# Altium PCB PCB1.PcbDoc (part 1 of 2) (continued)
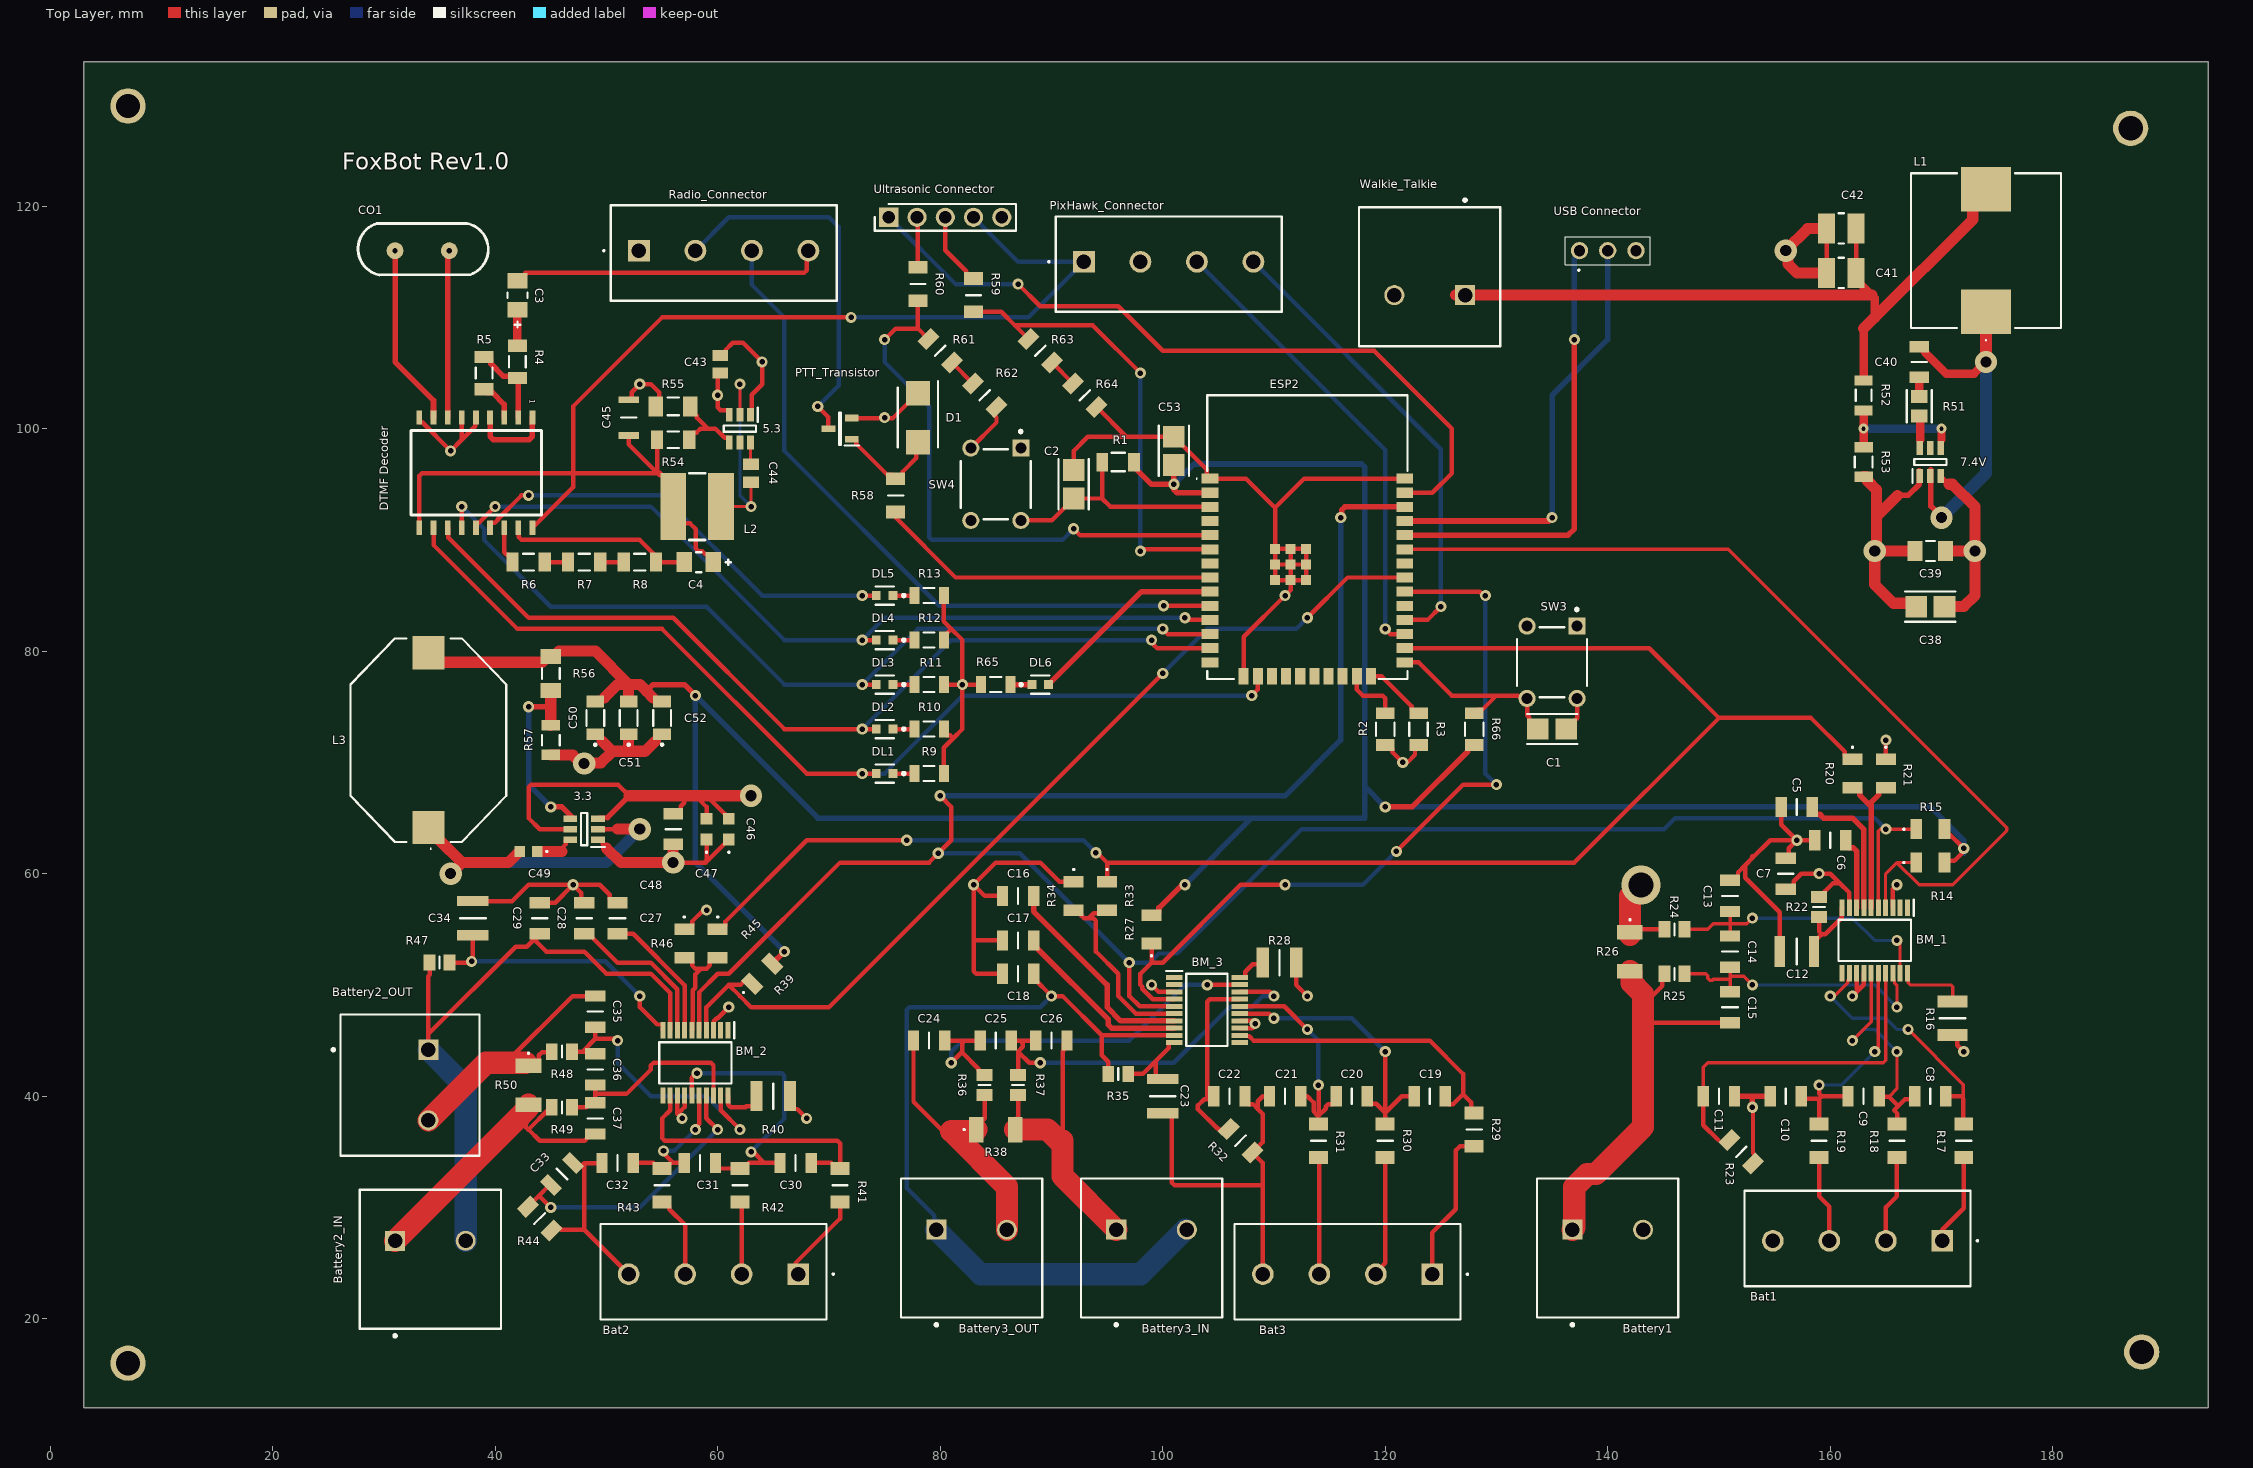
[diagram p0: Top Layer view]
## Footprints (in the part's own frame and the unit in brackets; to place one, negate y for a bottom-side part, rotate by r counter-clockwise, add the part's x,y. Pads: shape width x height; smd on the part's side, far side on the other; paste and mask are expansions set on the pad) (continued)
MT8870DSR1 [mm]
  rect 1.27x0.51 smd: 1(0,0) 2(0,-1.27) 3(0,-2.54) 4(0,-3.81) 5(0,-5.08) 6(0,-6.35) 7(0,-7.62) 8(0,-8.89) 9(0,-10.16) 10(9.906,-10.16) 11(9.906,-8.89) 12(9.906,-7.62) 13(9.906,-6.35) 14(9.906,-5.08) 15(9.906,-3.81) 16(9.906,-2.54) 17(9.906,-1.27) 18(9.906,0)
  silkscreen extent 1.16,-10.92 8.76,0.83, body extent -0.21,-10.86 10.12,0.69, height 2.65
MTH3P2MM [mm]
  round 3.175 hole 2.185: 1(0,0)
PHOE-1714955_V [mm] "Terminal Block, 2-Leads, Body 12.7x12.5mm, Pitch 6.35mm"
  rect 1.8x1.8 hole 1.3: 1(-3.175,0)
  round 1.8 hole 1.3: 2(3.175,0)
  silkscreen extent -6.35,-8.67 6.35,4.6, body extent -6.92,-7.9 6.35,4.6, height 21.51
RCC120610K0FKEA [mm]
  rect 1.05x1.8 smd: 1(-1.275,0) 2(1.275,0)
  silkscreen extent -2.42,-0.05 -2.32,0.05, body extent -1.6,-0.8 1.6,0.8, height 0.55
RESC3216X60X45LL10T20 [mm] "Chip Resistor, 2-Leads, Body 3.20x1.60mm, IPC High Density"
  rect 0.9x1.6 smd: 1(-1.35,0) 2(1.35,0)
  silkscreen extent -0.5,-0.7 0.5,0.7, body extent -1.65,-0.85 1.65,0.85, height 0.6
RESC3216X60X45ML10T20 [mm] "Chip Resistor, 2-Leads, Body 3.20x1.60mm, IPC Low Density"
  rect 1.3x1.8 smd: 1(-1.55,0) 2(1.55,0)
  silkscreen extent -0.5,-0.8 0.5,0.8, body extent -1.65,-0.85 1.65,0.85, height 0.6
RESC3216X60X45NL10T20 [mm] "Chip Resistor, 2-Leads, Body 3.20x1.60mm, IPC Medium Density"
  rect 1.1x1.7 smd: 1(-1.45,0) 2(1.45,0)
  silkscreen extent -0.5,-0.75 0.5,0.75, body extent -1.65,-0.85 1.65,0.85, height 0.6
RESC3216X70X50LL05T20 [mm] "Chip Resistor, 2-Leads, Body 3.20x1.60mm, IPC High Density"
  rect 0.9x1.55 smd: 1(-1.325,0) 2(1.325,0)
  silkscreen extent -0.5,-0.67 0.5,0.67, body extent -1.63,-0.82 1.62,0.82, height 0.7
RN73C2A100RBTDF [mm]
  rect 1.05x1.45 smd: 1(-0.9,0) 2(0.9,0)
  silkscreen extent 0,-0.53 0,0.53, body extent -1,-0.62 1,0.63, height 0.56
SDR1806-2R2ML [mm]
  rect 3x2.9 smd: 1(-7.85,0) 2(7.85,0)
  silkscreen extent -9.8,-7 9.15,7, body extent -9.15,-7 9.15,7, height 6.6
SRN6045 [mm]
  rect 2.3x6 smd: 1(-2.15,0) 2(2.15,0)
  silkscreen extent -0.7,-3 0.7,3, body extent -3,-3 3,3, height 4.5
SRP1250-7R8M [mm]
  rect 4x4.5 smd: 1(-5.5,0) 2(5.5,0)
  silkscreen extent -8.1,-6.75 6.95,6.75, body extent -7.1,-6.75 7.1,6.75, height 5.3
TMK212BJ474KD-T [mm]
  rect 0.96x1.39 smd: 1(-0.79,0) 2(0.79,0)
  body extent -1,-0.63 1,0.63, height 0.95
TPS54308 [mm]
  rect 1.25x0.6 smd: 1(-1.25,0.95) 2(-1.25,0) 3(-1.25,-0.95) 4(1.25,-0.95) 5(1.25,0) 6(1.25,0.95)
  silkscreen extent -1.88,-1.45 0.28,1.6, body extent -1.4,-1.45 1.4,1.45, height 0.97
TPS56339DDCR [mm]
  rect 1.25x0.6 smd: 1(-1.25,0.95) 2(-1.25,0) 3(-1.25,-0.95) 4(1.25,-0.95) 5(1.25,0) 6(1.25,0.95)
  silkscreen extent -1.87,-1.45 0.28,1.6, body extent -1.4,-1.45 1.4,1.45, height 0.97
TPS565201DDCR [mm]
  rect 1.25x0.6 smd: 1(-1.25,0.95) 2(-1.25,0) 3(-1.25,-0.95) 4(1.25,-0.95) 5(1.25,0) 6(1.25,0.95)
  silkscreen extent -1.88,-1.45 0.28,1.6, body extent -1.4,-1.45 1.4,1.45, height 0.97
TPSMB75A-L [mm]
  rect 2.2x2.15 smd: 1(-2.2,0) 2(2.2,0)
  silkscreen extent -3.27,-1.81 2.7,1.81, body extent -2.57,-1.94 2.83,1.68, height 1.12
TSW-103-07-T-S [mm]
  round 1.55 hole 1.02: 1(0,0) 2(2.54,0) 3(5.08,0)
  silkscreen extent -1.27,-1.8 6.35,1.27, body extent -1.34,-1.46 6.41,1.08, height 5.21

## Part data
Bat1 Bat2 Bat3 PixHawk_Connector Radio_Connector: "Connector", Manufacturer_Name="Phoenix Contact", Mouser Part Number=651-1731857, Datasheet Link=http://www.phoenixcontact.com/de/produkte/1731857/pdf, Height=19.27mm, Manufacturer_Part_Number=1731857, Mouser Price/Stock=https://www.mouser.co.uk/ProductDetail/Phoenix-Contact/1731857?qs=o3rrLWFGhRkCt0JTTi%2FfYg%3D%3D
Battery1 Battery2_IN Battery2_OUT Battery3_IN Battery3_OUT Walkie_Talkie: library part CMP-2000-05797-1, "PC Terminal Block, Pitch 6.35 mm, 1 x 2 Position, Height 21.5 mm, Tail Lenght 5.1 mm, RoHS, Bulk", Manufacturer="Phoenix Contact", Package Description="PC Terminal Block, Pitch 6.35 mm, 1 x 2 Position, Height 21.5 mm, Tail Lenght 5.1 mm", Datasheet URL=http://media.digikey.com/pdf/Data%20Sheets/Phoenix%20Contact%20PDFs/1714955.pdf, Datasheet Version=02/2010, Manufacturer URL=http://www.phoenixcontact.com/, Mounting Technology=ThroughHole, Package Reference=1714955
BM_1 BM_2 BM_3: "Integrated Circuit", Manufacturer_Name="Texas Instruments", Mouser Part Number=595-BQ7692003PWR, Arrow Part Number=BQ7692003PWR, Arrow Price/Stock=https://www.arrow.com/en/products/bq7692003pwr/texas-instruments?utm_currency=USD&region=nac, Datasheet Link=http://www.ti.com/lit/gpn/bq76920, Height=1.2mm, Manufacturer_Part_Number=BQ7692003PWR, Mouser Price/Stock=https://www.mouser.co.uk/ProductDetail/Texas-Instruments/BQ7692003PWR?qs=%2Fd%252BFzHvH4c1ZYX6sbOSR8w%3D%3D
C1 C2 C53: library part CMP-08246-006636-1, "Multilayer Ceramic Capacitors 100nF ±10% 250V X7R SMD 1206", Capacitance=100nF, Case Code (Imperial)=1206, Case Code (Metric)=3216, Dielectric=X7R, Max Operating Temperature=125°C, Min Operating Temperature=-55°C, Package Quantity=1, Resistor Type=Ceramic, Tolerance=10%, Voltage=250V, Case/Package=1206, Depth=1.6mm, Height=1.6mm, Lead Free="Lead Free", Length=3.2mm, Mount="Surface Mount", Number of Pins=2, Packaging="Tape and Reel", REACH SVHC="No SVHC", RoHS Compliant=Yes, Series=C, Termination=SMD/SMT, Thickness=0.071inch, Voltage Rating=250V, Voltage Rating (DC)=250V, Weight=0.000571oz, Width=0.063inch
C3 C4: library part CMP-1661-00004-2, "10uF 16V  ±10% 3Ω 1206  SMD Tantalum Capacitor", Case Code (Imperial)=1206, Case Code (Metric)=3216, Dielectric Material=Tantalum, ESR (Equivalent Series Resistance)=3R, Leakage Current=1.6uA, Max Operating Temperature=125°C, Min Operating Temperature=-55°C, Package Quantity=1, Tolerance=10%, Voltage=16V, Capacitance=10uF, Case/Package=1206, Depth=1.6mm, Dissipation Factor=8%, Features="General Purpose", Height=1.6mm, Height - Seated (Max)=0.071inch, Lead Free="Lead Free", Lead Pitch=1.1mm, Length=3.2mm, Mount="Surface Mount", Number of Pins=2, Packaging="Tape and Reel", Polarity=Polar, Radiation Hardening=No, REACH SVHC="No SVHC", Termination=SMD/SMT, Voltage Rating=16V, Voltage Rating (DC)=16V, Width=1.6mm
C5 C7 C8 C9 C10 C11 C16 C18 C19 C20 C21 C22 C27 C29 C30 C31 C32 C33: "Capacitor", Manufacturer_Name="Kyocera AVX", Mouser Part Number=581-12065C105JAZ2A, Arrow Part Number=12065C105JAZ2A, Arrow Price/Stock=https://www.arrow.com/en/products/12065c105jaz2a/avx, Datasheet Link=http://www.farnell.com/datasheets/2237835.pdf, Height=1.78mm, Manufacturer_Part_Number=12065C105JAZ2A, Mouser Price/Stock=https://www.mouser.com/Search/Refine.aspx?Keyword=581-12065C105JAZ2A
C6 C17 C28: "Capacitor", Manufacturer_Name="Kyocera AVX", Mouser Part Number=581-12065C475K4Z2A, Datasheet Link=https://spicat.kyocera-avx.com/product/mlcc/chartview/12065C475K4Z2A/DataSheet/X7R, Height=1.78mm, Manufacturer_Part_Number=12065C475K4Z2A, Mouser Price/Stock=https://www.mouser.co.uk/ProductDetail/KYOCERA-AVX/12065C475K4Z2A?qs=AQlKX63v8RvvrmQFAjsYkg%3D%3D
C12 C23 C34: "Capacitor", Manufacturer_Name=TDK, Mouser Part Number=810-C3225X7R2A106K25, Datasheet Link=https://product.tdk.com/info/en/catalog/datasheets/mlcc_commercial_midvoltage_en.pdf, Height=2.3mm, Manufacturer_Part_Number=C3225X7R2A106K250AC, Mouser Price/Stock=https://www.mouser.co.uk/ProductDetail/TDK/C3225X7R2A106K250AC?qs=rSMjJ%252B1ewcQNu1nTZev8UA%3D%3D
C13 C14 C15 C24 C25 C26 C35 C36 C37: "Capacitor", Manufacturer_Name=KEMET, Mouser Part Number=80-C1206104K5RAC7867, Arrow Part Number=C1206C104K5RAC7867, Arrow Price/Stock=https://www.arrow.com/en/products/c1206c104k5rac7867/kemet-corporation, Datasheet Link=https://content.kemet.com/datasheets/KEM_C1002_X7R_SMD.pdf, Height=1.1mm, Manufacturer_Part_Number=C1206C104K5RAC7867, Mouser Price/Stock=https://www.mouser.co.uk/ProductDetail/KEMET/C1206C104K5RAC7867?qs=r%2FVmNO8Tjq5MvP%2FjoJQjcw%3D%3D
C38: library part CMP-08246-002728-1, "Multilayer Ceramic Capacitors 33uF ±20% 25V X5R SMD 1206", Capacitance=33uF, Case Code (Imperial)=1206, Case Code (Metric)=3216, Dielectric=X5R, Dielectric Material=Ceramic, Max Operating Temperature=85°C, Min Operating Temperature=-55°C, Package Quantity=1, Tolerance=20%, Voltage Rating=25V, Case/Package=1206, Depth=1.6mm, Lead Free="Lead Free", Length=3.2mm, Mount="Surface Mount", Packaging="Tape and Reel", REACH SVHC="No SVHC", Resistor Type=Ceramic, RoHS Compliant=Yes, Series=C, Termination=SMD/SMT, Thickness=1.6mm, Voltage Rating (DC)=25V, Weight=0.000571oz, Width=0.063inch
C39: library part CMP-06035-050440-1, "Chip Multilayer Ceramic Capacitors for General Purpose, 1206, 0.10uF, C0G, 30ppm/°C, 5%, 50V", Capacitance=100nF, Case Code (Imperial)=1206, Case Code (Metric)=3216, Dielectric=C0G, Max Operating Temperature=125°C, Min Operating Temperature=-55°C, Package Quantity=6000, Tolerance=5%, Voltage=50V, Case/Package=1206, Depth=1.6mm, Height=1.6mm, Lead Free="Lead Free", Length=3.2mm, Mount="Surface Mount", Packaging="Tape and Reel", Radiation Hardening=No, Termination=SMD/SMT, Thickness=0.071inch, Voltage Rating=50V, Voltage Rating (DC)=50V, Width=0.063inch
C40: "Capacitor", Manufacturer_Name="Murata Electronics", Mouser Part Number=81-GRM319R72A104KA1D, Arrow Part Number=GRM319R72A104KA01D, Arrow Price/Stock=https://www.arrow.com/en/products/grm319r72a104ka01d/murata-manufacturing?region=europe, Datasheet Link=http://www.murata.com/~/media/webrenewal/support/library/catalog/products/capacitor/mlcc/c02e.pdf, Height=0.95mm, Manufacturer_Part_Number=GRM319R72A104KA01D, Mouser Price/Stock=https://www.mouser.co.uk/ProductDetail/Murata-Electronics/GRM319R72A104KA01D?qs=aHh07ZX1ACw840PhdyBNvA%3D%3D
C41 C42: library part CMP-14477-002449-2, "None", Capacitance=22uF, Case/Package=1210, Max Operating Temperature=125°C, Min Operating Temperature=-55°C, Ratings=AEC-Q200, Tolerance=10%, Voltage Rating=25V, Length=0.126inch, Mount="Surface Mount", Packaging="Tape and Reel", RoHS Compliant=Yes, Thickness=0.106inch, Width=0.098inch
C43: "Capacitor", Manufacturer_Name="TAIYO YUDEN", Mouser Part Number=963-TMK212BJ474KD-T, Datasheet Link=https://componentsearchengine.com/Datasheets/2/TMK212BJ474KD-T.pdf, Height=0.95mm, Manufacturer_Part_Number=TMK212BJ474KD-T, Mouser Price/Stock=https://www.mouser.co.uk/ProductDetail/Taiyo-Yuden/TMK212BJ474KD-T/?qs=PzICbMaShUcnyRLJVHq5%252BA%3D%3D
C44: "Capacitor", Manufacturer_Name="Kyocera AVX", Mouser Part Number=581-08053C104K, Arrow Part Number=08053C104KAT2A, Arrow Price/Stock=https://www.arrow.com/en/products/08053c104kat2a/avx?region=nac, Datasheet Link=http://datasheets.avx.com/X7RDielectric.pdf, Height=0.94mm, Manufacturer_Part_Number=08053C104KAT2A, Mouser Price/Stock=https://www.mouser.co.uk/ProductDetail/KYOCERA-AVX/08053C104KAT2A?qs=EihRZLdKnF2GcTBzDkE%2FiQ%3D%3D
C45: "Capacitor", Manufacturer_Name=TDK, Mouser Part Number=810-C3216X5R1E336M, Arrow Part Number=C3216X5R1E336M160AC, Arrow Price/Stock=https://www.arrow.com/en/products/c3216x5r1e336m160ac/tdk, Datasheet Link=https://product.tdk.com/info/en/catalog/datasheets/mlcc_commercial_midvoltage_en.pdf, Height=1.8mm, Manufacturer_Part_Number=C3216X5R1E336M160AC, Mouser Price/Stock=https://www.mouser.co.uk/ProductDetail/TDK/C3216X5R1E336M160AC?qs=LcTL%2F5vFEzFIMvFz4LzwTw%3D%3D
C46 C47: "Capacitor", Manufacturer_Name=TDK, Mouser Part Number=810-C2012X5R1V106K0C, Arrow Part Number=C2012X5R1V106K085AC, Arrow Price/Stock=https://www.arrow.com/en/products/c2012x5r1v106k085ac/tdk?region=nac, Datasheet Link=https://product.tdk.com/system/files/dam/doc/product/capacitor/ceramic/mlcc/catalog/mlcc_commercial_general_en.pdf, Height=0.75mm, Manufacturer_Part_Number=C2012X5R1V106K085AC, Mouser Price/Stock=https://www.mouser.co.uk/ProductDetail/TDK/C2012X5R1V106K085AC?qs=6JAMGB%252BEdky%252BlYMcTLhFyA%3D%3D
C48: "Capacitor", Manufacturer_Name="Murata Electronics", Mouser Part Number=81-GRM422X104K100L, Arrow Part Number=GRM32NR72A104KA01L, Arrow Price/Stock=https://www.arrow.com/en/products/grm32nr72a104ka01l/murata-manufacturing, Datasheet Link=https://datasheet.datasheetarchive.com/originals/distributors/Datasheets_SAMA/a501be5d702e77636af0066a8ea8a825.pdf, Height=1.5mm, Manufacturer_Part_Number=GRM32NR72A104KA01L, Mouser Price/Stock=https://www.mouser.co.uk/ProductDetail/Murata-Electronics/GRM32NR72A104KA01L?qs=k8CGH%2FeYcNJZjvEBKBbW2g%3D%3D
C49: "Capacitor", Manufacturer_Name=KEMET, Mouser Part Number=80-C0603C104M3V, Arrow Part Number=C0603C104M3VACTU, Arrow Price/Stock=https://www.arrow.com/en/products/c0603c104m3vactu/kemet-corporation?region=nac, Datasheet Link=https://content.kemet.com/datasheets/KEM_C1005_Y5V_SMD.pdf, Height=0.87mm, Manufacturer_Part_Number=C0603C104M3VACTU, Mouser Price/Stock=https://www.mouser.co.uk/ProductDetail/KEMET/C0603C104M3VACTU?qs=jZ42y6hXG8l3LKJr7CVpKA%3D%3D
C50 C51 C52: "Capacitor", Manufacturer_Name="Murata Electronics", Mouser Part Number=81-GRM31CR71A226K15L, Arrow Part Number=GRM31CR71A226KE15L, Arrow Price/Stock=https://www.arrow.com/en/products/grm31cr71a226ke15l/murata-manufacturing?region=nac, Datasheet Link=https://search.murata.co.jp/Ceramy/image/img/A01X/G101/ENG/GRM31CR71A226KE15-01CA.pdf, Height=1.15mm, Manufacturer_Part_Number=GRM31CR71A226KE15L, Mouser Price/Stock=https://www.mouser.co.uk/ProductDetail/Murata-Electronics/GRM31CR71A226KE15L?qs=%2FBLjsTEvPnhfnPGA5Hlk4g%3D%3D
CO1: library part A-3.579545-18
D1: "TVS Diode (Uni-directional)", Manufacturer_Name=LITTELFUSE, Mouser Part Number=576-TPSMB75A-L, Datasheet Link=https://m.littelfuse.com/media?resourcetype=datasheets&itemid=e7a196a8-a225-4724-ab76-7c22e0d48557&filename=littelfuse-tvs-diode-tpsmb-datasheet, Height=2.44mm, Manufacturer_Part_Number=TPSMB75A-L, Mouser Price/Stock=https://www.mouser.co.uk/ProductDetail/Littelfuse/TPSMB75A-L?qs=%252BXxaIXUDbq2%252B9m5DB0gNVQ%3D%3D
DL1 DL2 DL3 DL4 DL5 DL6: library part CMP-1674-00011-2, "LED RED CLEAR CHIP SMD", Case Code (Imperial)=0603, Case Code (Metric)=1608, Color=Red, Forward Current=30mA, Forward Voltage=2.4V, Lens Color=Colorless, Max Operating Temperature=85°C, Min Operating Temperature=-55°C, Package Quantity=1, Power Dissipation=75mW, Reverse Voltage=5V, Test Current=20mA, Case/Package=0603, Depth=0.8mm, Dominant Wavelength=631nm, Height=0.8mm, Illumination Color=Red, Lead Free="Lead Free", Length=1.6mm, Lens Style=Diffused, Lens Transparency=Clear, Luminous Intensity=54mcd, Mount="Surface Mount", Number of Elements=1, Number of LEDs=1, Number of Pins=2, Packaging="Tape and Reel", Power Rating=75mW, Radiation Hardening=No, Viewing Angle=130°, Wavelength=639nm, Width=0.8mm
"DTMF Decoder": library part MT8870DSR1
ESP2: "Integrated Circuit", Manufacturer_Name="Espressif Systems", Mouser Part Number=356-ESP32WRM32E128PH, Datasheet Link=https://www.espressif.com/sites/default/files/documentation/esp32-wroom-32e_esp32-wroom-32ue_datasheet_en.pdf, Height=3.25mm, Manufacturer_Part_Number=ESP32-WROOM-32E-N16, Mouser Price/Stock=https://www.mouser.co.uk/ProductDetail/Espressif-Systems/ESP32-WROOM-32E-N16?qs=Li%252BoUPsLEnsC4cA%252BUYB2Bw%3D%3D
L1: "Inductor", Manufacturer_Name=Bourns, Mouser Part Number=652-SRP1250-7R8M, Arrow Part Number=SRP1250-7R8M, Arrow Price/Stock=https://www.arrow.com/en/products/srp1250-7r8m/bourns, Datasheet Link=https://www.bourns.com/docs/Product-Datasheets/SRP1250.pdf, Height=5.2mm, Manufacturer_Part_Number=SRP1250-7R8M, Mouser Price/Stock=https://www.mouser.co.uk/ProductDetail/Bourns/SRP1250-7R8M?qs=P41GyhEsKL6%2Fx3ckwmCxKA%3D%3D
L2: "Inductor", Manufacturer_Name=Bourns, Mouser Part Number=652-SRN6045-6R8Y, Arrow Part Number=SRN6045-6R8Y, Arrow Price/Stock=https://www.arrow.com/en/products/srn6045-6r8y/bourns?region=nac, Datasheet Link=http://www.bourns.com/docs/Product-Datasheets/SRN6045.pdf, Manufacturer_Part_Number=SRN6045-6R8Y, Mouser Price/Stock=https://www.mouser.co.uk/ProductDetail/Bourns/SRN6045-6R8Y?qs=opBjA1TV901hgVnK%252Bmh76Q%3D%3D
L3: "Inductor", Manufacturer_Name=Bourns, Mouser Part Number=652-SDR1806-2R2ML, Arrow Part Number=SDR1806-2R2ML, Arrow Price/Stock=https://www.arrow.com/en/products/sdr1806-2r2ml/bourns, Datasheet Link=https://www.bourns.com/docs/Product-Datasheets/SDR1806.pdf, Height=6.9mm, Manufacturer_Part_Number=SDR1806-2R2ML, Mouser Price/Stock=https://www.mouser.co.uk/ProductDetail/Bourns/SDR1806-2R2ML?qs=xrpI9KL%2FXvsM6NNo6hRSNQ%3D%3D
PTT_Transistor: "Integrated Circuit", Manufacturer_Name=onsemi, Mouser Part Number=863-MMBT2222ALT1G, Arrow Part Number=MMBT2222ALT1G, Arrow Price/Stock=https://www.arrow.com/en/products/mmbt2222alt1g/on-semiconductor?utm_currency=USD&region=europe, Datasheet Link=https://www.onsemi.com/pub/Collateral/MMBT2222LT1-D.PDF, Height=1.11mm, Manufacturer_Part_Number=MMBT2222ALT1G, Mouser Price/Stock=https://www.mouser.co.uk/ProductDetail/onsemi/MMBT2222ALT1G?qs=HVbQlW5zcXWwnD7Jokybqg%3D%3D
R1 R2 R3 R66: library part CMP-07231-005593-1, "Thick Film Chip Resistors 1206 10kΩ 0.25W 5% 200ppm/°C", Case Code (Imperial)=1206, Case Code (Metric)=3216, Max Operating Temperature=155°C, Max Power Dissipation=250mW, Min Operating Temperature=-55°C, Package Quantity=1, Resistance=10kR, Temperature Coefficient=200ppm/°C, Tolerance=5%, Voltage Rating=200V, Case/Package=1206, Composition="Thick Film", Contact Plating=Tin, Depth=1.6mm, Features="Moisture Resistant", Height=0.6mm, Length=3.2mm, Military Standard=Not, Mount="Surface Mount", Number of Pins=2, Number of Terminations=2, Packaging="Tape and Reel", Power Rating=250mW, Radiation Hardening=No, REACH SVHC="No SVHC", Termination=SMD/SMT, Thickness=610um, Voltage Rating (DC)=200V, Width=1.6mm
R4 R5 R6 R7 R8: library part CMP-1014-00736-2, Manufacturer="Vishay Dale", Part Number=CRCW1206100KFKEA
R9 R10 R11 R12 R13 R65: library part CMP-2003-00388-1, Manufacturer=Panasonic, Part Number=ERJ8ENF4700V
R14 R15 R20 R21 R27 R33 R34 R39 R45 R46: "Resistor", Manufacturer_Name=Vishay, Mouser Part Number=71-RCC120610K0FKEA, Arrow Part Number=RCC120610K0FKEA, Arrow Price/Stock=https://www.arrow.com/en/products/rcc120610k0fkea/vishay?region=nac, Datasheet Link=https://www.vishay.com/docs/20066/rcce3.pdf, Height=0.6mm, Manufacturer_Part_Number=RCC120610K0FKEA, Mouser Price/Stock=https://www.mouser.co.uk/ProductDetail/Vishay-Dale/RCC120610K0FKEA?qs=IS%252B4QmGtzzoGkT4gqT5LqQ%3D%3D
R16 R28 R40: "Resistor", Manufacturer_Name=Vishay, Mouser Part Number=71-CRCW12101M00FKEAH, Arrow Part Number=CRCW12101M00FKEAHP, Arrow Price/Stock=https://www.arrow.com/en/products/crcw12101m00fkeahp/vishay?region=nac, Datasheet Link=http://componentsearchengine.com/Datasheets/1/CRCW12101M00FKEAHP.pdf, Height=0.7mm, Manufacturer_Part_Number=CRCW12101M00FKEAHP, Mouser Price/Stock=https://www.mouser.co.uk/ProductDetail/Vishay-Dale/CRCW12101M00FKEAHP?qs=OAzHGkhREL1IfK%252BVtIUJvA%3D%3D
R17 R18 R19 R23 R29 R30 R31 R32 R41 R42 R43 R44 R58 R59 R60 R61 R62 R63 R64: "Resistor", Manufacturer_Name=Panasonic, Mouser Part Number=667-ERA-8AEB102V, Arrow Part Number=ERA-8AEB102V, Arrow Price/Stock=https://www.arrow.com/en/products/era-8aeb102v/panasonic?utm_currency=USD&region=nac, Datasheet Link=https://industrial.panasonic.com/cdbs/www-data/pdf/RDM0000/AOA0000C307.pdf, Height=0.7mm, Manufacturer_Part_Number=ERA-8AEB102V, Mouser Price/Stock=https://www.mouser.co.uk/ProductDetail/Panasonic/ERA-8AEB102V?qs=Ojoo2rCVP9R3RwZw0XjknA%3D%3D
R22 R24 R25 R35 R36 R37 R47 R48 R49: "Resistor", Manufacturer_Name="TE Connectivity", Mouser Part Number=279-RN73CA-100, Arrow Part Number=RN73C2A100RBTDF, Arrow Price/Stock=https://www.arrow.com/en/products/rn73c2a100rbtdf/te-connectivity?region=nac, Datasheet Link=https://www.te.com/commerce/DocumentDelivery/DDEController?Action=srchrtrv&DocNm=8-1773459-4_ELEVATOR_ESCALATOR_SOLUTIONS&DocType=Data%20Sheet&DocLang=English&PartCntxt=1676143-2&DocFormat=pdf, Height=0.65mm, Manufacturer_Part_Number=RN73C2A100RBTDF, Mouser Price/Stock=https://www.mouser.co.uk/ProductDetail/TE-Connectivity-Holsworthy/RN73C2A100RBTDF?qs=4sdEia5Zib5QFwNYOmoLuQ%3D%3D
R26 R38 R50: "Resistor", Manufacturer_Name=Panasonic, Datasheet Link=http://industrial.panasonic.com/cdbs/www-data/pdf/RDN0000/AOA0000C313.pdf, Height=0.7mm, Manufacturer_Part_Number=ERJ-L14KJ20MU
R51: library part CMP-2001-03553-2, "30Ω ±0.5% 0.1W 1/10W Chip Resistor 0805 (2012 Metric) Thin Film", Case Code (Imperial)=0805, Case Code (Metric)=2012, Max Operating Temperature=125°C, Max Power Dissipation=100mW, Min Operating Temperature=-55°C, Package Quantity=1, Resistance=30R, Resistor Type="Thin Film", Temperature Coefficient=50ppm/°C, Tolerance=0.5%, Voltage Rating=100V, Case/Package=0805, Depth=1.25mm, Height=0.02inch, Lead Free="Lead Free", Length=0.079inch, Mount="Surface Mount", Number of Terminations=2, Packaging="Tape and Reel", Power Rating=100mW, RoHS Compliant=Yes, Series=RR, Size Code=0805, Technology="THIN FILM", Termination=SMD/SMT, Voltage Rating (DC)=100V, Width=0.049inch
R52: library part CMP-2003-02404-1, Manufacturer="Vishay Dale", Part Number=CRCW120682K5FKEA
R53 R57: library part CMP-2003-04807-2, "RES Thick Film, 10kΩ, 1%, 0.25W, 100ppm/°C, 1206", Case Code (Imperial)=1206, Case Code (Metric)=3216, Max Operating Temperature=155°C, Max Power Dissipation=250mW, Min Operating Temperature=-55°C, Package Quantity=10, Resistance=10kR, Temperature Coefficient=100ppm/°C, Tolerance=1%, Voltage Rating=200V, Case/Package=1206, Composition="Thick Film", Contact Plating=Tin, Depth=1.6mm, Features="Automotive AEC-Q200", Height=0.55mm, Lead Free="Lead Free", Length=3.2mm, Military Standard=Not, Number of Pins=2, Number of Terminations=2, Packaging="Tape and Reel", Power Rating=250mW, Radiation Hardening=No, Termination=SMD/SMT, Voltage Rating (DC)=200V, Weight=0.000353oz, Width=0.063inch, Working Voltage=200V
R54: library part CMP-1014-00736-2, Manufacturer="Vishay Dale", Part Number=CRCW1206100KFKEA
R55: library part CMP-2003-04851-1, Manufacturer="Vishay Dale", Part Number=CRCW120612K7FKEA
R56: library part CMP-02407-004792-1, "RES Thick Film, 33.2kΩ, 1%, 0.25W, 100ppm/°C, 1206"
SW3 SW4: library part CMP-03407-000001-1, "SWITCH TACTILE SPST-NO 0.05A 24V", Contact Current Rating=50mA, Contact Resistance=100mΩ, Manufacturer="TE Connectivity", Operating Force=160gf, Package=0, Temperature="-35°C to +85°C", Temperature Range High=+85°C, Temperature Range Low=-35°C, Automotive=No, Category=Switch, ComponentLink2Description=Datasheet, ComponentLink2URL=https://www.te.com/commerce/DocumentDelivery/DDEController?Action=srchrtrv&DocNm=1825910&DocType=Customer+Drawing&DocLang=English, Device Class L1=Electromechanical, Device Class L2=Switches, Device Class L3="Tactile Switches", Digikey Description="SWITCH TACTILE SPST-NO 0.05A 24V", Electromechanical Life=100000Cycles, Height=17.3mm, Lead Free=Yes, Manufacturer Part Number=3-1825910-1, Mount="Through Hole", Octopart=https://octopart.com/3-1825910-1-te+connectivity-46506874, RoHS=TRUE, Throw Configuration=SPST-NO
"Ultrasonic Connector": "Connector", Manufacturer_Name="Amphenol Communications Solutions", Mouser Part Number=649-68000-105HTLF, Arrow Part Number=68000-105HTLF, Arrow Price/Stock=https://www.arrow.com/en/products/68000-105htlf/amphenol-fci, Datasheet Link=https://cdn.amphenol-cs.com/media/wysiwyg/files/drawing/68000.pdf, Height=8.58mm, Manufacturer_Part_Number=68000-105HTLF, Mouser Price/Stock=https://www.mouser.co.uk/ProductDetail/Amphenol-FCI/68000-105HTLF?qs=w%2Fv1CP2dgqrYgNyQVoiqDw%3D%3D
"USB Connector": "Connector", Manufacturer_Name=SAMTEC, Mouser Part Number=200-TSW10307TS, Arrow Part Number=TSW-103-07-T-S, Arrow Price/Stock=https://www.arrow.com/en/products/tsw-103-07-t-s/samtec?region=nac, Datasheet Link=http://suddendocs.samtec.com/prints/tsw-xxx-xx-xxx-x-xx-xxx-mkt.pdf, Manufacturer_Part_Number=TSW-103-07-T-S, Mouser Price/Stock=https://www.mouser.co.uk/ProductDetail/Samtec/TSW-103-07-T-S?qs=hzq9O0YpnZs1xDByQQIs%2FQ%3D%3D

## Via types
v1: diameter 1, hole 0.5, Top Layer to Bottom Layer, 98 vias
v2: diameter 2, hole 1, Top Layer to Bottom Layer, 6 vias
v3: diameter 2, hole 1, Top Layer to Bottom Layer, tented both sides, 4 vias
v4: diameter 0.889, hole 0.381, Top Layer to Bottom Layer, tented both sides, 2 vias
v5: diameter 1, hole 0.5, Top Layer to Bottom Layer, tented both sides, 2 vias
v6: diameter 3.5, hole 2.25, Top Layer to Bottom Layer, tented both sides, 1 vias

## Nets (pads, with @x,y where several pads share a name; then routed paths per layer and width w, separated by ;. In a path a pad name is that pad's centre, name@x,y a point inside that pad or via, vN(x,y) a via of type N, cw(c..) or ccw(c..) an arc to the next point about the centre after c; other vN are vias at no path point)
3V3: C50.2 C51.2 C52.2 C53.1 ESP2.2 L3.2 R1.1 R14.2 R15.2 R27.2 R39.2 R56.2 R66.2 | length 270.8
  Top Layer w0.4: C50.2@49.325,75.8 49.8,75.8 ; 54.2,75.8 54.675,75.8 C52.2@55,75.475 ; R14.2@170.275,61 170.441,61.166 171.166,61.166 172,62 v1(172,62.275) R15.2@170.675,63.6
  Top Layer w0.5: 53.6,76.4 54.2,77 57,77 v1(58,76) ; R39.2@64.902,51.902 v1(66,53) ; R1.1@97.427,97 97.706,96.721 97.706,96.294 99,95 v1(101,95) ; R27.2@99,56.275 99.375,56.275 99.65,56.55 99.65,56.925 101.725,59 v1(102,59) ; C53.1@101,96.724 v1(101,95) ; ESP2.2@104.25,94.24 101.293,94.24 101,94.533 v1(101,95) ; v1(120,66) 122.427,66 127.419,70.992 127.419,71.294 127.698,71.573 R66.2@128,71.573
  Top Layer w1: L3.2@34,79.85 34.85,79 44.223,79 44.749,79.526 R56.2@45,79.526 45.178,79.704 45.429,79.704 45.725,80 49,80 52,77 ; 49.8,75.8 51,77 52,77 ; C51.2@52,75.475 52,77 ; 54.2,75.8 53.6,76.4 53,77 52,77 ; R15.2@170.275,64 170.275,63.625 R15.2@170.3,63.6
  Bottom Layer w0.5: v1(66,53) 58,61 v1(58,76) 69,65 108,65 ; v1(101,95) 102.823,96.823 117.885,96.823 118.177,96.53 118.177,67.823 ; v1(102,59) 108,65 ; v1@172,61.839 v1(172,62.275) 172,63 169,66 v1(120,66) 118.177,67.823 ; 108,65 118.177,65 118.177,67.823
5.3V: "DTMF Decoder.10" "DTMF Decoder.18" "Ultrasonic Connector.4" C4.2 C45.2 L2.2 PixHawk_Connector.1 R54.2 | length 120.6
  Top Layer w0.4: 33.19,91.094 33.19,95.766 33.424,96 47,96 ; 43.35,91.094 47,94.744 47,96 ; C45.2@52,99.4 52,98.584 54.55,96.034 ; R54.2@54.55,99 54.55,96.034 ; C4.2@59.6,88 59.6,88.2 59.1,88.7 58.9,88.7 58.6,89 58.261,89 58.027,89.234 58.027,90.973 57.516,91.484 56.95,91.484 56,92.434 L2.2@56,93 56,94.85 L2.2@55.05,95.8 ; v1(72,110) 55,110 47,102 47,96 ; 47,96 54.584,96 ; 54.55,96.034 54.584,96 ; 54.55,96.034 54.816,96.034 ; 54.584,96 54.784,95.8 L2.2@55.05,95.8 ; 54.584,96 54.781,96 54.816,96.034 ; 54.816,96.034 L2.2@55.05,95.8
  Bottom Layer w0.4: v1(72,110) 87.92,110 PixHawk_Connector.1@92.92,115 87,115 83,119
7.4V: C41.1 C42.1 L1.2 R52.2 Walkie_Talkie.1 | length 67.8
  Top Layer w0.4: C41.1@162.325,114 C42.1@162.325,118
  Top Layer w0.75: C41.1@162.325,114 162.325,113.424 164,111.749 164,110 ; R52.2@163,104.35 163,109 ; L1.2@172.814,120.314 L1.2@174,121.5
  Top Layer w1: Walkie_Talkie.1@126.327,112 163.749,112 ; 163,109 164,110 172.814,118.814 L1.2@172.814,120.314
BM1_SDA: BM_1.4 ESP2.33 R14.1 | length 83.7
  Top Layer w0.3: ESP2.33@121.75,89.16 150.84,89.16 175.876,64.124 175.876,63.876 171,59 168,59 166,61 ; BM_1.4@164.975,56.938 164.975,59.975 166,61 ; R14.1@167.725,61 166,61